# KiCad board fercus-right.kicad_pcb (continued)
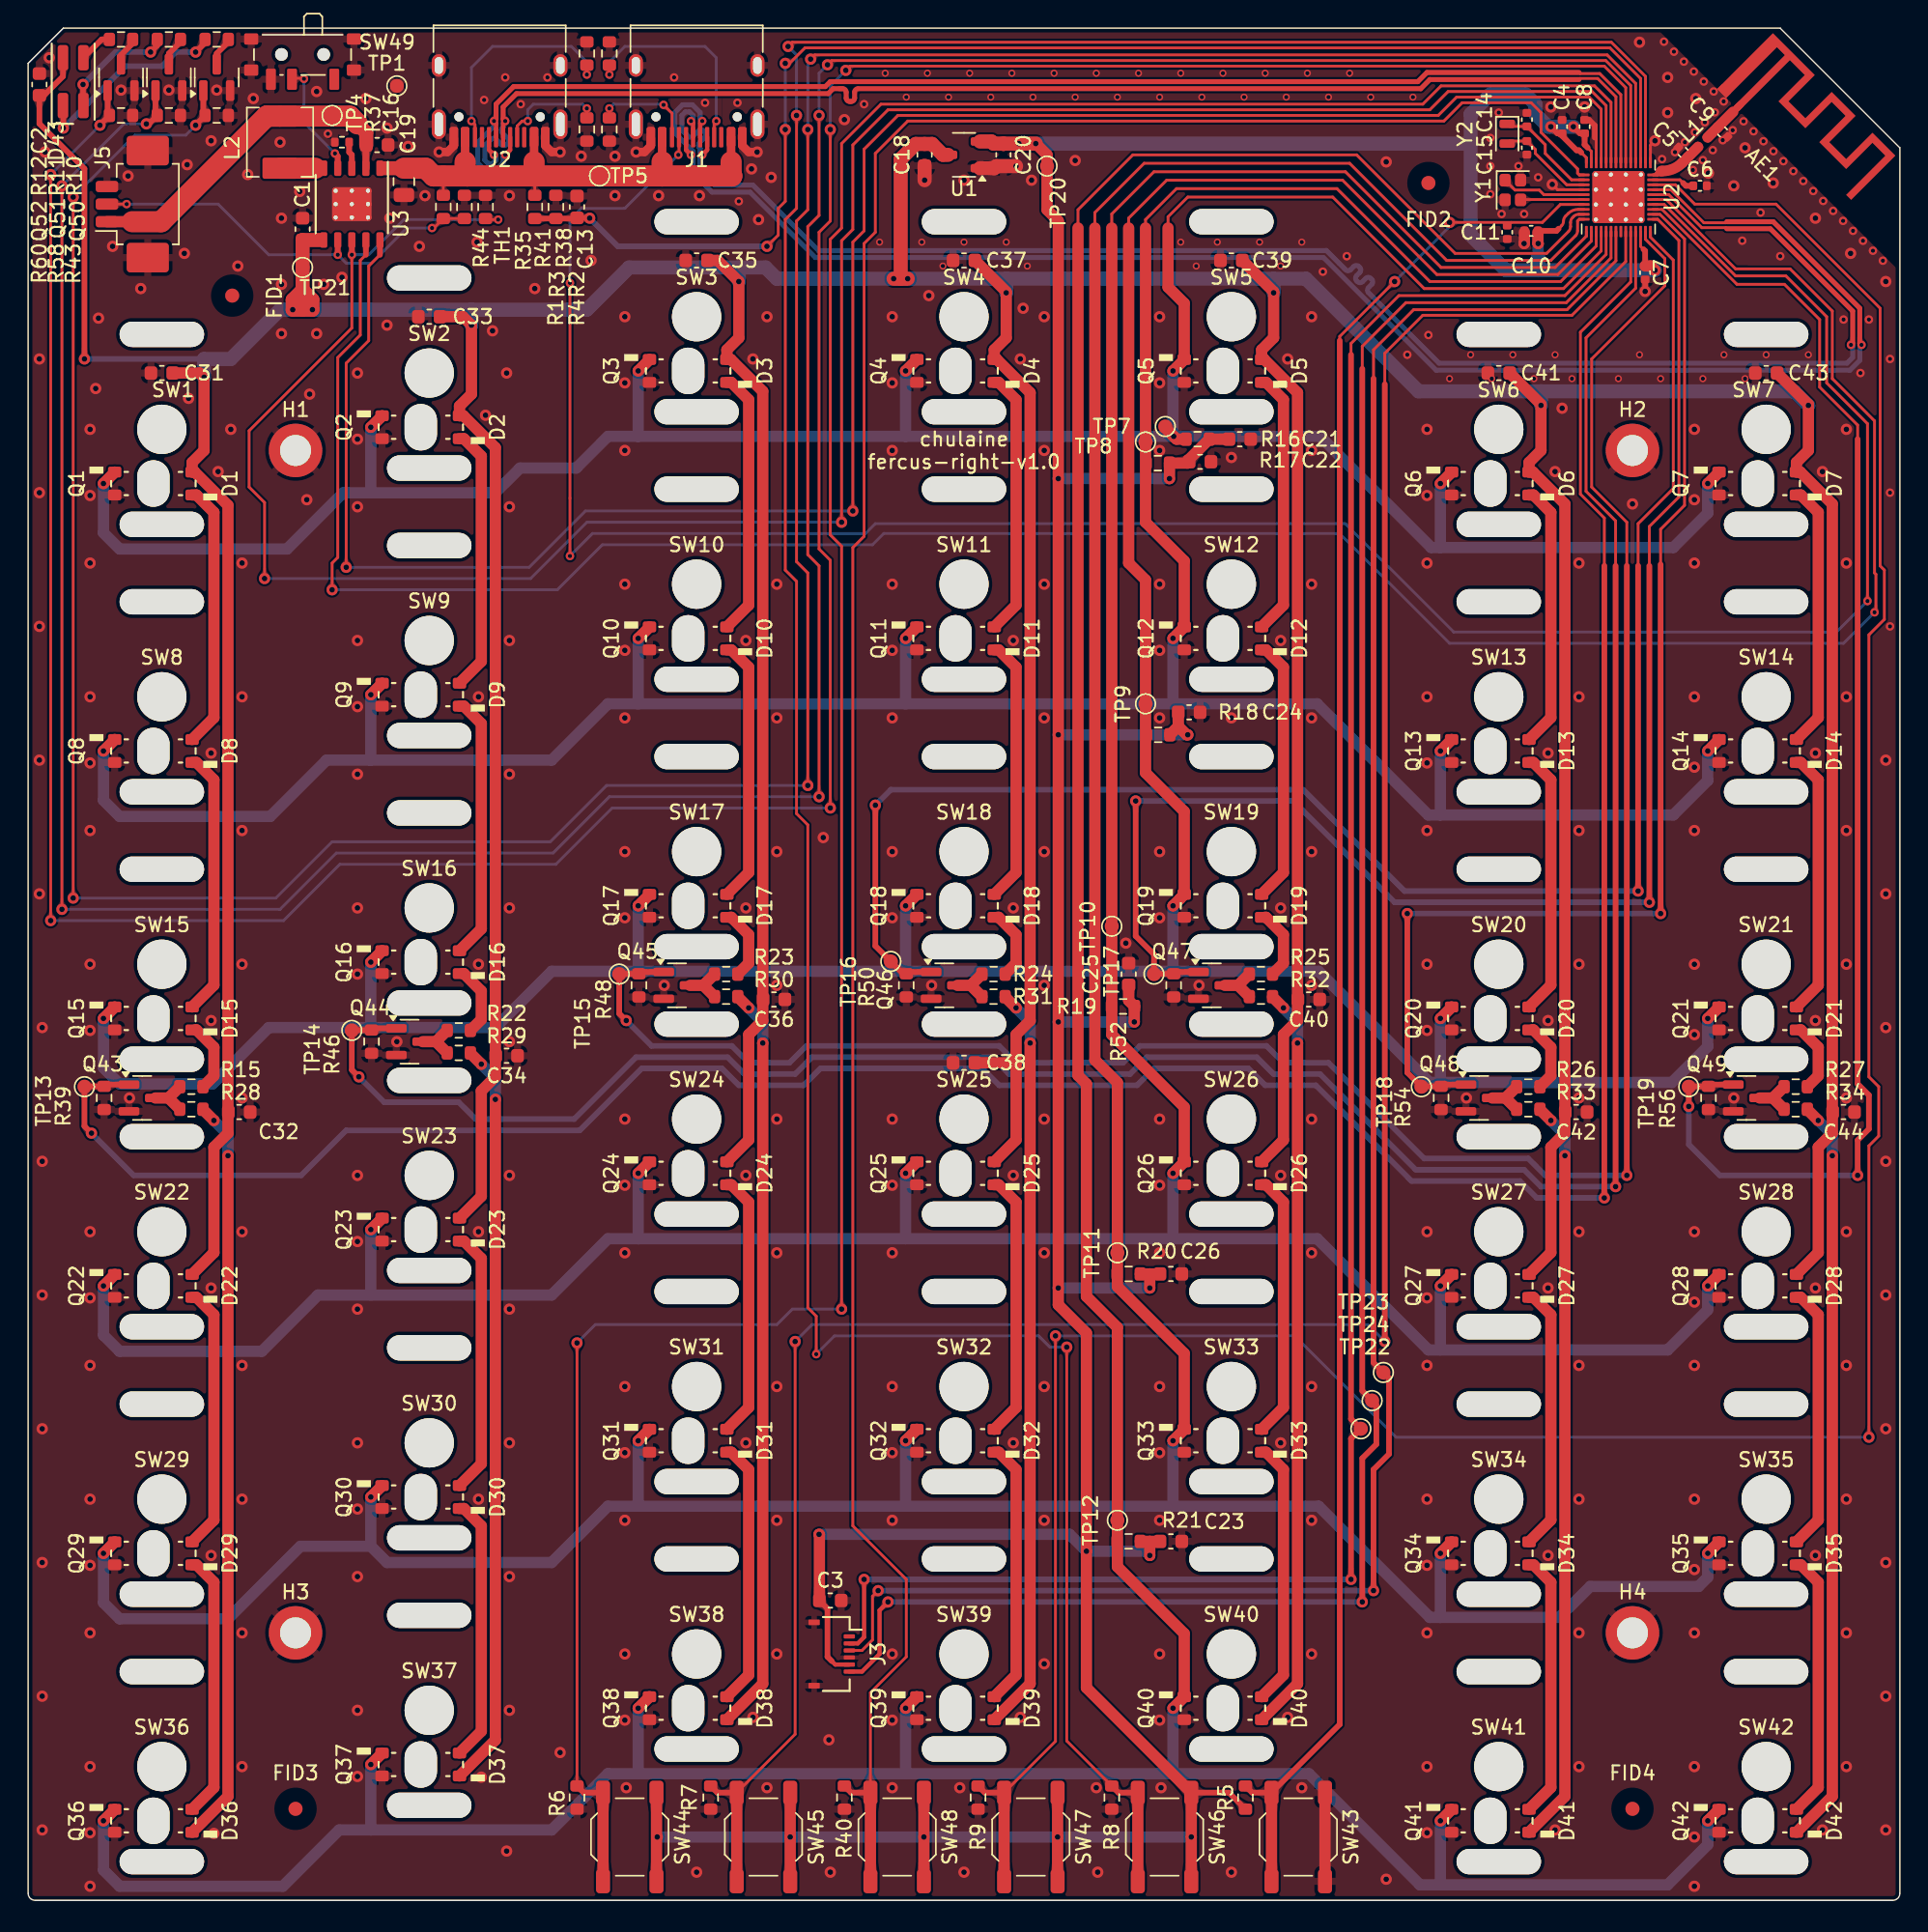
[diagram p0: board, top side]
## Footprints (pads in the part's own frame, mm; a bottom-side part is the same pattern mirrored in y, then rotated)
C_0402_1005Metric
  rrect 0.56x0.62 smd: 1(-0.48,0) 2(0.48,0)
C_0603_1608Metric
  rrect 0.9x0.95 smd: 1(-0.775,0) 2(0.775,0)
C_0805_2012Metric
  rrect 1x1.45 smd: 1(-0.95,0) 2(0.95,0)
Crystal_SMD_2012-2Pin_2.0x1.2mm
  rrect 0.6x1.1 smd: 1(-0.7,0) 2(0.7,0)
Crystal_SMD_2016-4Pin_2.0x1.6mm
  rrect 0.9x0.8 smd: 1(-0.7,-0.55) 2(0.7,-0.55) 3(0.7,0.55) 4(-0.7,0.55)
Everlight_LED_RGB_PLCC-4
  rrect 1.8x0.75 smd: 1(-1.7,0.725) 2(1.7,0.725) 3(1.7,-0.725) 4(-1.7,-0.725)
Fiducial_1mm_Mask3mm
  round 1 smd: (0,0)
Jushuo_AFC42-S06FMA-1H_1x6-1MP_P0.50_Horizontal
  rrect 0.3x0.8 smd: 1(-1.25,1.55) 2(-0.75,1.55) 3(-0.25,1.55) 4(0.25,1.55) 5(0.75,1.55) 6(1.25,1.55)
  rrect 0.4x0.8 smd: MP(-2.25,-0.95) MP(2.25,-0.95)
KTR-0602IRC
  rrect 0.77x0.95 smd: 1(-0.815,0) 2(0.815,0)
KTR-0602PTD
  rrect 0.77x0.95 smd: 1(0.815,0) 2(-0.815,0)
L_0402_1005Metric
  rrect 0.59x0.64 smd: 1(-0.485,0) 2(0.485,0)
L_Sunlord_MWSA0402S
  rrect 1.5x2.5 smd: 1(-1.85,0) 2(1.85,0)
Molex_PicoBlade_53261-0371_1x03-1MP_P1.25mm_Horizontal
  rrect 0.8x1.6 smd: 1(-1.25,2.4) 2(0,2.4) 3(1.25,2.4)
  rrect 2.1x3 smd: MP(-3.8,-0.5) MP(3.8,-0.5)
MountingHole_2.2mm_M2_ISO14580_Pad
  round 3.8 hole 2.2: 1(0,0)
QFN-48-1EP_5x5mm_P0.35mm_EP3.7x3.7mm_ThermalVias_Drill0.3mm_WCH
  custom 0.955x0.955 smd: (-1.067,1.067) (-1.067,0) (-1.067,-1.067) (0,1.067) (0,0) (0,-1.067) (1.067,1.067) (1.067,0) (1.067,-1.067)
  rrect 0.2x0.8 smd: 1(-1.575,-2.45) 2(-1.225,-2.45) 3(-0.875,-2.45) 4(-0.525,-2.45) 5(-0.175,-2.45) 6(0.175,-2.45) 7(0.525,-2.45) 8(0.875,-2.45) 9(1.225,-2.45) 10(1.575,-2.45) 25(1.575,2.45) 26(1.225,2.45) 27(0.875,2.45) 28(0.525,2.45) 29(0.175,2.45) 30(-0.175,2.45) 31(-0.525,2.45) 32(-0.875,2.45) 33(-1.225,2.45) 34(-1.575,2.45)
  rrect 0.8x0.2 smd: 11(2.45,-2.275) 12(2.45,-1.925) 13(2.45,-1.575) 14(2.45,-1.225) 15(2.45,-0.875) 16(2.45,-0.525) 17(2.45,-0.175) 18(2.45,0.175) 19(2.45,0.525) 20(2.45,0.875) 21(2.45,1.225) 22(2.45,1.575) 23(2.45,1.925) 24(2.45,2.275) 35(-2.45,2.275) 36(-2.45,1.925) 37(-2.45,1.575) 38(-2.45,1.225) 39(-2.45,0.875) 40(-2.45,0.525) 41(-2.45,0.175) 42(-2.45,-0.175) 43(-2.45,-0.525) 44(-2.45,-0.875) 45(-2.45,-1.225) 46(-2.45,-1.575) 47(-2.45,-1.925) 48(-2.45,-2.275)
  round 0.5 hole 0.3: 49(-1.6,1.6) 49(-1.6,0.533) 49(-1.6,-0.533) 49(-1.6,-1.6) 49(-0.533,1.6) 49(-0.533,0.533) 49(-0.533,-0.533) 49(-0.533,-1.6) 49(0.533,1.6) 49(0.533,0.533) 49(0.533,-0.533) 49(0.533,-1.6) 49(1.6,1.6) 49(1.6,0.533) 49(1.6,-0.533) 49(1.6,-1.6)
  rrect 3.7x3.7 smd: 49(0,0)
  rrect 3.7x3.7 smd far side: 49(0,0)
R_0402_1005Metric
  rrect 0.54x0.64 smd: 1(-0.51,0) 2(0.51,0)
R_0603_1608Metric
  rrect 0.8x0.95 smd: 1(-0.825,0) 2(0.825,0)
SOT-23
  rrect 1.475x0.6 smd: 1(-0.938,0.95) 2(-0.938,-0.95) 3(0.938,0)
SOT-23-3
  rrect 1.325x0.6 smd: 1(-1.137,0.95) 2(-1.137,-0.95) 3(1.137,0)
SSOP-10-1EP_3.9x4.9mm_P1.00mm_EP2.4x2.8mm_ThermalVias_Drill0.3mm
  rrect 0.9x0.9 smd: (-0.6,0.8) (-0.6,-0.8) (0.6,0.8) (0.6,-0.8)
  rrect 1.1x0.51 smd: 1(-2.55,2) 2(-2.55,1) 3(-2.55,0) 4(-2.55,-1) 5(-2.55,-2) 6(2.55,-2) 7(2.55,-1) 8(2.55,0) 9(2.55,1) 10(2.55,2)
  round 0.5 hole 0.3: 11(-0.95,1.15) 11(-0.95,0) 11(-0.95,-1.15) 11(0,1.15) 11(0,0) 11(0,-1.15) 11(0.95,1.15) 11(0.95,0) 11(0.95,-1.15)
  rrect 2.4x2.8 smd: 11(0,0)
  rrect 2.4x2.8 smd far side: 11(0,0)
SW_RAESHA_Low_Profile_Optical
  oval 2.3x3.3 hole 2.3x3.3 unplated: (-0.6,-3.85)
  oval 6x1.8 hole 6x1.8 unplated: (0,6.75) (0,-6.75)
  round 3.5 hole 3.5 unplated: (0,0)
SW_SPDT_PCM12
  round 0.9 hole 0.9 unplated: (-1.5,-0.33) (1.5,-0.33)
  rrect 0.7x1.5 smd: 1(-2.25,1.43) 2(0.75,1.43) 3(2.25,1.43)
  rrect 1x0.8 smd: 4(-3.65,0.78) 4(-3.65,-1.43) 4(3.65,0.78) 4(3.65,-1.43)
SW_SPST_TL3342
  rrect 1.7x1 smd: 1(-3.15,1.9) 1(3.15,1.9) 2(-3.15,-1.9) 2(3.15,-1.9)
TestPoint_Pad_D1.0mm
  round 1 smd: 1(0,0)
USB_C_Receptacle_HRO_TYPE-C-31-M-12
  round 0.65 hole 0.65 unplated: (-2.89,2.6) (2.89,2.6)
  rrect 0.6x1.45 smd: A1(-3.25,4.045) A4(-2.45,4.045) A9(2.45,4.045) A12(3.25,4.045) B1(3.25,4.045) B4(2.45,4.045) B9(-2.45,4.045) B12(-3.25,4.045)
  rrect 0.3x1.45 smd: A5(-1.25,4.045) A6(-0.25,4.045) A7(0.25,4.045) A8(1.25,4.045) B5(1.75,4.045) B6(0.75,4.045) B7(-0.75,4.045) B8(-1.75,4.045)
  oval 1x2.1 hole 0.6x1.7: S1(-4.32,3.13) S1(4.32,3.13)
  oval 1x1.6 hole 0.6x1.2: S1(-4.32,-1.05) S1(4.32,-1.05)
WCH_MIFA-1_2.4GHz_1.6mm_FR4_Right
  rect 0.5x0.5 smd: 1(0,0.25)
  rect 0.9x0.5 smd: 2(-1.5,0.25)

## Nets
+3.3V: C3.1 C4.1 C7.1 C8.1 C10.1 C20.1 C21.1 C22.1 C23.1 C24.1 C25.1 C26.1 J3.5 R5.1 R16.1 R17.1 R18.1 R19.1 R20.1 R21.1 SW44.1 SW45.1 SW46.1 SW47.1 SW48.1 TP20.1 U1.2 U2.8 U2.22 U2.47 U2.48
+5V: C1.1 C2.1 C18.1 C31.2 C32.2 C33.2 C34.2 C35.2 C36.2 C37.2 C38.2 C39.2 C40.2 C41.2 C42.2 C43.2 C44.2 D1.2 D2.2 D3.2 D4.2 D5.2 D6.2 D7.2 D22.2 D23.2 D24.2 D25.2 D26.2 D27.2 D28.2 D43.2 TP21.1 U1.3 U3.6
+5VP: C19.1 J1.A4 J1.A9 J1.B4 J1.B9 J2.A4 J2.A9 J2.B4 J2.B9 R41.1 R44.1 TP5.1 U3.1
/VINTA: C6.1 U2.33
GND: AE1.2 C1.2 C2.2 C3.2 C4.2 C5.2 C6.2 C7.2 C8.2 C9.2 C10.2 C11.2 C13.2 C14.2 C15.2 C16.2 C18.2 C19.2 C20.2 C21.2 C22.2 C23.2 C24.2 C25.2 C26.2 C31.1 C32.1 C33.1 C34.1 C35.1 C36.1 C37.1 C38.1 C39.1 C40.1 C41.1 C42.1 C43.1 C44.1 H1.1 H2.1 H3.1 H4.1 J1.A1 J1.A12 J1.B1 J1.B12 J1.S1 J2.A1 J2.A12 J2.B1 J2.B12 J2.S1 J3.4 J3.MP J5.3 J5.MP Q1.1 Q2.1 Q3.1 Q4.1 Q5.1 Q6.1 Q7.1 Q8.1 Q9.1 Q10.1 Q11.1 Q12.1 Q13.1 Q14.1 Q15.1 Q16.1 Q17.1 Q18.1 Q19.1 Q20.1 Q21.1 Q22.1 Q23.1 Q24.1 Q25.1 Q26.1 Q27.1 Q28.1 Q29.1 Q30.1 Q31.1 Q32.1 Q33.1 Q34.1 Q35.1 Q36.1 Q37.1 Q38.1 Q39.1 Q40.1 Q41.1 Q42.1 Q43.2 Q44.2 Q45.2 Q46.2 Q47.2 Q48.2 Q49.2 Q50.2 Q51.2 Q52.2 R1.1 R2.1 R3.1 R4.1 R6.2 R7.2 R8.2 R9.2 R35.2 R37.2 R38.2 R39.2 R40.2 R43.2 R46.2 R48.2 R50.2 R52.2 R54.2 R56.2 R58.2 R60.2 SW43.1 SW49.3 SW49.4 TH1.2 TP1.1 U1.1 U2.4 U2.35 U2.46 U2.49 U3.11 Y1.2 Y1.4
+BATT: C16.1 J5.1 L2.1 TP4.1 U3.2
/NTC: J5.2 R44.2 TH1.1 U3.7
ANT: C5.1 L1.1 U2.34
BAT_ADC: U2.18
BOOT0: R6.1 SW44.2 U2.43
BOOT1: R7.1 SW45.2 U2.19
ETA-DISCHRG: U2.45 U3.10
ETA-ENBST: SW49.2 U3.4
ETA-PULSE: R35.1 U2.44 U3.8
ETA-STAT: U2.29 U3.9
joystick_a1: J3.2 TP22.1 U2.15
joystick_a2: J3.6 TP24.1 U2.16
joystick_sw: J3.3 TP23.1 U2.17
key_col0: Q43.1 R39.1 TP13.1 U2.20
key_col1: Q44.1 R46.1 TP14.1 U2.21
key_col2: Q45.1 R48.1 TP15.1 U2.23
key_col3: Q46.1 R50.1 TP16.1 U2.24
key_col4: Q47.1 R52.1 TP17.1 U2.25
key_col5: Q48.1 R54.1 TP18.1 U2.26
key_col6: Q49.1 R56.1 TP19.1 U2.27
key_fn0: R8.1 SW46.2 U2.36
key_fn1: R9.1 SW47.2 U2.32
key_fn2: R40.1 SW48.2 U2.1
key_row0: Q1.2 Q2.2 Q3.2 Q4.2 Q5.2 Q6.2 Q7.2 R16.2 TP7.1 U2.14
key_row1: Q8.2 Q9.2 Q10.2 Q11.2 Q12.2 Q13.2 Q14.2 R17.2 TP8.1 U2.13
key_row2: Q15.2 Q16.2 Q17.2 Q18.2 Q19.2 Q20.2 Q21.2 R18.2 TP9.1 U2.12
key_row3: Q22.2 Q23.2 Q24.2 Q25.2 Q26.2 Q27.2 Q28.2 R19.2 TP10.1 U2.11
key_row4: Q29.2 Q30.2 Q31.2 Q32.2 Q33.2 Q34.2 Q35.2 R20.2 TP11.1 U2.10
key_row5: Q36.2 Q37.2 Q38.2 Q39.2 Q40.2 Q41.2 Q42.2 R21.2 TP12.1 U2.9
led_b: Q52.1 R60.1 U2.40
led_g: Q51.1 R58.1 U2.39
led_r: Q50.1 R43.1 U2.38
NRST: C11.1 R5.2 SW43.2 U2.7
OCS32IN: C14.1 U2.2 Y2.1
OCS32OUT: C15.1 U2.3 Y2.2
OCSIN: U2.5 Y1.1
OCSOUT: U2.6 Y1.3
usart1_tx: J1.A8 U2.28
usb1-vbus: C13.1 R38.1 R41.2 U2.37
usb1_N: J1.A7 J1.B7 U2.30
usb1_P: J1.A6 J1.B6 U2.31
usb2_N: J2.A7 J2.B7 U2.41
usb2_P: J2.A6 J2.B6 U2.42
Net-(AE1-A): AE1.1 C9.1 L1.2
Net-(D1-K): D1.1 D8.2
Net-(D2-K): D2.1 D9.2
Net-(D10-A): D3.1 D10.2
Net-(D10-K): D10.1 D17.2
Net-(D11-A): D4.1 D11.2
Net-(D11-K): D11.1 D18.2
Net-(D12-A): D5.1 D12.2
Net-(D12-K): D12.1 D19.2
Net-(D13-A): D6.1 D13.2
Net-(D13-K): D13.1 D20.2
Net-(D14-A): D7.1 D14.2
Net-(D14-K): D14.1 D21.2
Net-(D15-A): D8.1 D15.2
Net-(D15-K): D15.1 R15.1
Net-(D16-A): D9.1 D16.2
Net-(D16-K): D16.1 R22.1
Net-(D17-K): D17.1 R23.1
Net-(D18-K): D18.1 R24.1
Net-(D19-K): D19.1 R25.1
Net-(D20-K): D20.1 R26.1
Net-(D21-K): D21.1 R27.1
Net-(D22-K): D22.1 D29.2
Net-(D23-K): D23.1 D30.2
Net-(D24-K): D24.1 D31.2
Net-(D25-K): D25.1 D32.2
Net-(D26-K): D26.1 D33.2
Net-(D27-K): D27.1 D34.2
Net-(D28-K): D28.1 D35.2
Net-(D29-K): D29.1 D36.2
Net-(D30-K): D30.1 D37.2
Net-(D31-K): D31.1 D38.2
Net-(D32-K): D32.1 D39.2
Net-(D33-K): D33.1 D40.2
Net-(D34-K): D34.1 D41.2
Net-(D35-K): D35.1 D42.2
Net-(D36-K): D36.1 R28.1
Net-(D37-K): D37.1 R29.1
Net-(D38-K): D38.1 R30.1
Net-(D39-K): D39.1 R31.1
Net-(D40-K): D40.1 R32.1
Net-(D41-K): D41.1 R33.1
Net-(D42-K): D42.1 R34.1
Net-(D43-BK): D43.3 R12.2
Net-(D43-GK): D43.4 R11.2
Net-(D43-RK): D43.1 R10.2
Net-(J1-CC1): J1.A5 R2.2
Net-(J1-CC2): J1.B5 R4.2
Net-(J2-CC1): J2.A5 R1.2
Net-(J2-CC2): J2.B5 R3.2
Net-(Q43-D): Q43.3 R15.2 R28.2
Net-(Q44-D): Q44.3 R22.2 R29.2
Net-(Q45-D): Q45.3 R23.2 R30.2
Net-(Q46-D): Q46.3 R24.2 R31.2
Net-(Q47-D): Q47.3 R25.2 R32.2
Net-(Q48-D): Q48.3 R26.2 R33.2
Net-(Q49-D): Q49.3 R27.2 R34.2
Net-(Q50-D): Q50.3 R10.1
Net-(Q51-D): Q51.3 R11.1
Net-(Q52-D): Q52.3 R12.1
Net-(U3-ISEt): R37.1 U3.3
Net-(U3-SW): L2.2 U3.5

Pads without a net: J1 B8; J2 A8 B8; J3 1; SW49 1

## Via types
v1: diameter 0.8, hole 0.4, Top to Bottom, 512 vias
v2: diameter 0.6, hole 0.3, Top to Bottom, 95 vias
v3: diameter 0.5, hole 0.3, Top to Bottom, 52 vias

## Routing (per net, layer and track width the routed paths; a pad name or vN(x,y) marks a point on that pad's centre or on a via; arc(x,y) is an arc through that point)
+3.3V: length 361.2
  Top w0.2: 114.79,117.29 114.57,117.5 U2.22 ; 108.75,118.75 108.96,118.96 arc(109.06,119.11) 109.1,119.29 arc(109.14,119.48) 109.25,119.65 109.43,119.83 arc(109.76,120.05) 110.14,120.12 U2.8 ; 110.81,124.51 111.07,124.25 U2.47 ; U2.48 110.72,123.8 110.36,124.16
  Top w0.3: J3.5 57.35,16.75 57.1,17
  Top w0.4: R5.1 85.33,7.65 SW46.1 ; 57.1,17 56.8,17.3 56.8,20.72 C3.1 ; 114.79,117.29 114.9,117.17 C7.1 ; v1(108.2,126) 108.68,125.52 C4.1 109,125.35 110.03,124.33 110.2,124.33 110.36,124.16 ; 110.81,124.51 110.6,124.72 C8.1 110.28,125.52 v1(109.8,126) ; C10.1 108.6,118.6 108.75,118.75
  Top w0.8: SW48.1 SW48.1 ; 81.72,83.4 R18.1 ; 81.72,83.4 82.33,82.8 v1(82.4,82.8) ; 81.72,83.4 C24.1 ; v1(56.2,26) 56.22,25.97 C3.1 ; 107.28,118.5 107.28,117.72 v1(107.3,117.7) ; v1(115.6,115.8) 115.29,116.1 C7.1 ; C25.1 78.2,63.92 R19.1 78.6,63.47 v1(78.6,62.4) ; 79.7,44.5 v1(79.7,43.5) ; 79.7,44.5 C26.1 ; 79.7,44.5 R20.1 ; v1(81.1,101) R17.1 82.4,102.1 C22.1 82.5,102.38 R16.1 C21.1 ; SW44.1 SW44.1 ; SW45.1 SW45.1 ; SW47.1 SW47.1 ; v1(71.6,124.8) 72.4,124 72.4,120.1 73.2,119.3 73.2,42.3 75.2,40.3 v1(75.2,24.8) 75.2,15.1 SW46.1 SW46.1 ; R21.1 79.7,25.5 ; 79.7,25.5 v1(79.7,24.5) ; 79.7,25.5 C23.1
  Top w1: v1(71.6,124.8) v1(70.4,124.8) 69.33,124.8 C20.1 69.28,124.8 68.6,124.8 68.45,124.95 U1.2
  Bottom w0.8: v1(44.7,4.5) v1(54.15,4.5) v1(82.65,4.5) ; v1(56.2,26) 74,26 v1(75.2,24.8) 79.4,24.8 v1(79.7,24.5) ; v1(82.4,82.8) v1(73.2,82.8) ; v1(79.7,43.5) v1(73.2,43.5) ; v1(81.1,101) v1(73.2,101) ; v1(78.6,62.4) v1(73.2,62.4) ; 107.3,117.6 107.3,116.8
  Bottom w1: 102.5,124.8 102.5,126.9 103.9,128.3 106.4,128.3 107.1,127.6 107.1,126.9 108,126 v1(108.2,126) v1(109.8,126) ; 102.5,124.8 102.5,118.3 105,115.8 107.3,115.8 ; 102.5,124.8 v1(71.6,124.8) v1(70.4,124.8) ; 107.3,116.8 107.3,115.8 ; 107.3,115.8 v1(115.6,115.8)
  vias: v1(63.65,4.5) v1(73.15,4.5)
+5V: length 662.2
  Top w0.4: 2.48,130.9 2.48,129.57 1.12,128.22 C2.1 0.8,126.21 4,123.01 v1(4,109.5)
  Top w0.8: 70.2,59.5 C38.2 ; 70.2,59.5 70.2,61.5 71.2,62.5 71.2,107.1 68.83,109.47 D4.2 68.65,110.15 69.5,111 v1(69.5,114.2) 69.5,114.28 C37.2 ; 70.2,59.5 70.2,54.02 D25.2 ; C31.2 12.2,108.5 v1(12.5,108.2) 12.5,103 11.65,102.15 D1.2 11.84,101.47 14.2,99.1 14.2,54.5 13.2,53.5 13.2,46.02 D22.2 ; D26.2 89.2,54.02 89.2,61.5 90.2,62.5 90.2,107.1 87.83,109.47 D5.2 87.65,110.15 88.5,111 v1(88.5,114.2) 88.5,114.28 C39.2 ; D27.2 108.2,46.02 108.2,53.5 109.2,54.5 109.2,99.2 106.94,101.47 D6.2 106.65,102.15 107.5,103 v1(107.5,106.2) 107.5,106.28 C41.2 ; C43.2 126.5,106.28 v1(126.5,106.2) 126.5,103 125.65,102.15 D7.2 125.94,101.47 128.2,99.2 128.2,54.5 127.2,53.5 127.2,46.02 D28.2 ; C35.2 49,116.5 v1(50.5,115) 50.5,111 49.65,110.15 D3.2 49.94,109.47 52.2,107.2 52.2,62.5 51.2,61.5 51.2,54.02 D24.2 ; D23.2 32.2,50.02 32.2,57.5 33.2,58.5 33.2,103.2 30.94,105.47 D2.2 30.65,106.15 31.5,107 v1(31.5,111.9) 30.9,112.5 C33.2
  Top w1: 19.5,113 v1(18.8,113) 18.8,113.7 19.5,114.4 ; 19.5,113 v1(20.2,113) 20.2,113.7 19.5,114.4 ; 19.5,113 19.5,114.4 ; U1.3 65,124 64.22,124.78 C18.1 63.08,124.78 62,123.7 62,115.2 ; 19.5,114.4 C1.1 20.7,117.95 ; 62,115.2 v1(62.5,115.2) ; 62,115.2 v1(61.5,115.2)
  Bottom w0.4: v1(4,109.5) 12.5,109.5
  Bottom w1: 50.5,116 42.7,116 39.7,113 31.5,113 ; 50.5,116 v1(50.5,115) ; 50.5,116 52.4,116 53.2,115.2 69.5,115.2 ; v1(12.5,108.2) 12.5,109.5 14.4,109.5 17.9,113 31.5,113 ; 88.5,115.2 90.8,115.2 98.8,107.2 107.5,107.2 ; 88.5,115.2 v1(88.5,114.2) ; 88.5,115.2 69.5,115.2 ; 107.5,107.2 125.5,107.2 v1(126.5,106.2) ; 107.5,107.2 v1(107.5,106.2) ; 31.5,113 v1(31.5,111.9) ; 69.5,115.2 v1(69.5,114.2)
+5VP: length 38.8
  Top w0.2: R41.1 36,122.45 35.95,122.5 ; R44.1 29.5,122.5
  Top w0.6: J2.A9 31.05,123.5 ; J1.A4 49.95,123.5 ; J2.A4 35.95,123.5 ; J1.A9 45.05,123.5
  Top w1: C19.1 25.3,123.05
  Top w1.5: 31.2,122.5 45.05,122.5 ; 31.2,122.5 31.05,122.65 31.05,123.5 ; 31.2,122.5 28.8,122.5 28.25,123.05 C19.1 ; 45.05,122.5 45.05,123.5 ; 45.05,122.5 50,122.5 49.95,122.55 49.95,123.5 ; 35.95,123.5 35.95,122.5
/VINTA: length 3
  Top w0.2: U2.33 117.38,122.22 117.6,122
  Top w0.4: C6.1 117.8,121.8 117.6,122
GND: length 26.4
  Top w0.2: 111.32,125.22 111.43,125.12 U2.46 ; U2.4 108.68,121.53 v1(108.3,121.9) ; U2.35 115.28,124.67 v1(115.6,125)
  Top w0.4: 111.32,125.22 111.32,126.08 110.92,126.48 C8.2 ; C7.2 v1(114.9,114.3)
  Top w0.6: 50.75,125.2 50.75,124.65 51.2,124.2 v1(51.8,124.2) ; 30.25,125.2 30.25,124.65 29.8,124.2 v1(29.2,124.2) ; 44.25,125.2 44.25,124.65 43.8,124.2 v1(43.2,124.2) ; v1(37.8,124.2) 37.2,124.2 36.75,124.65 36.75,125.2
  Top w0.8: 106.32,118.5 106.32,117.72 v1(106.3,117.7) ; SW43.1 SW43.1
  Top w1: U1.1 68.65,123.05 68.8,123.2 v1(70.2,123.2) ; C18.2 v1(63.7,122.2)
  vias: v1(0.8,109.5) v1(0.8,100) v1(0.8,90.5) v1(0.8,81) v1(0.8,71.5) v1(1,62) v1(1,52.5) v1(1,43) v1(1,33.5) v1(1,24) v1(1,14.5) v1(1,5) v1(1.2,124.2) v1(1.5,130.9) v1(4.4,104.5) v1(4.4,99.8) v1(4.4,95) v1(4.4,85.5) v1(4.4,80.8) v1(4.4,76) v1(4.4,66.5) v1(4.4,61.8) v1(4.4,47.5) v1(4.4,42.8) v1(4.4,38) v1(4.4,28.5) v1(4.4,23.8) v1(4.4,19) v1(4.4,9.5) v1(4.4,4.8) v1(4.4,1) v1(4.8,107.4) v1(5,112.4) v1(6,117.5) v1(6.6,128.6) v1(7.1,122.5) v1(7.2,57) v1(8,114.5) v1(10,128.6) v1(11.1,117) v1(11.3,123.3) v1(11.4,106.7) v1(13,125) v1(13,81.5) v1(13,62.5) v1(13,43.5) v1(13,24.5) v1(13.2,4.75) v1(13.4,128.6) v1(13.5,101.5) v1(14.4,104.5) v1(14.9,116.1) v1(15.2,95) v1(15.2,85.5) v1(15.2,76) v1(15.2,66.5) v1(15.2,57) v1(15.2,47.5) v1(15.2,38) v1(15.2,28.5) v1(15.2,19) v1(15.2,9.5) v1(15.6,122.6) v1(16,128) v1(17.9,124.9) v1(18,119.5) v1(18,114.8) v1(18,111.3) v1(19.3,121.4) v1(19.8,99.5) v1(20,107) v1(20.5,128.5) v1(20.5,111.3) v1(21,114.8) v1(22.3,115.3) v1(23.4,108.5) v1(23.4,103.8) v1(23.4,99) v1(23.4,89.5) v1(23.4,84.8) v1(23.4,80) v1(23.4,70.5) v1(23.4,65.8) v1(23.4,51.5) v1(23.4,46.8) v1(23.4,42) v1(23.4,32.5) v1(23.4,27.8) v1(23.4,23) v1(23.4,13.5) v1(23.4,8.8) v1(24,128) v1(25.5,125.9) v1(25.5,111.9) v1(25.7,119.5) v1(26.2,61) v1(27,124.6) v1(27.8,117.5) v1(28.2,121.1) v1(31.9,117.8) v1(32,85.5) v1(32,66.5) v1(32,47.5) v1(32,28.5) v1(32.2,8.75) v1(32.5,105.5) v1(33,111.5) v1(34,108.5) v1(34,3.5) v1(34.2,121.1) v1(34.2,99) v1(34.2,89.5) v1(34.2,80) v1(34.2,70.5) v1(34.2,61) v1(34.2,51.5) v1(34.2,42) v1(34.2,32.5) v1(34.2,23) v1(34.2,13.5) v1(36,114.5) v1(37.8,10.5) v1(39.3,123.9) v1(40,116.5) v1(41.7,123.9) v1(41.7,121.1) v1(42.4,112.5) v1(42.4,107.8) v1(42.4,103) v1(42.4,93.5) v1(42.4,88.8) v1(42.4,84) v1(42.4,74.5) v1(42.4,69.8) v1(42.4,55.5) v1(42.4,50.8) v1(42.4,46) v1(42.4,36.5) v1(42.4,31.8) v1(42.4,27) v1(42.4,17.5) v1(42.4,12.8) v1(42.5,8) v1(44.8,121.1) v1(45.2,65) v1(47.5,2) v1(47.7,121.1) v1(51,89.5) v1(51,70.5) v1(51,51.5) v1(51,32.5) v1(51.4,123) v1(51.5,109.5) v1(51.5,13) v1(51.9,119.4) v1(52.5,112.5) v1(52.5,8) v1(52.8,122.4) v1(53.2,93.5) v1(53.2,84) v1(53.2,74.5) v1(53.2,65) v1(53.2,55.5) v1(53.2,46) v1(53.2,36.5) v1(53.2,27) v1(53.2,17.5) v1(56.5,75.5) v1(56.9,11.4) v1(57,2) v1(58,126.5) v1(61.4,112.5) v1(61.4,107.8) v1(61.4,103) v1(61.4,93.5) v1(61.4,88.8) v1(61.4,84) v1(61.4,74.5) v1(61.4,69.8) v1(61.4,55.5) v1(61.4,50.8) v1(61.4,46) v1(61.4,36.5) v1(61.4,31.8) v1(61.4,27) v1(61.4,17.5) v1(61.4,12.8) v1(61.4,8) v1(64,114) v1(64.2,65) v1(66.2,8) v1(66.5,122.2) v1(66.5,2) v1(70,89.5) v1(70,70.5) v1(70,51.5) v1(70,32.5) v1(70.5,109.5) v1(70.5,13) v1(70.7,113.1) v1(71.3,122.2) v1(72.2,112.5) v1(72.2,103) v1(72.2,93.5) v1(72.2,84) v1(72.2,74.5) v1(72.2,65) v1(72.2,55.5) v1(72.2,46) v1(72.2,36.5) v1(72.2,27) v1(72.2,16.8) v1(74.4,123.6) v1(75.9,8) v1(76,2) v1(78,68) v1(80.4,112.5) v1(80.4,107.8) v1(80.4,103) v1(80.4,93.5) v1(80.4,88.8) v1(80.4,84) v1(80.4,74.5) v1(80.4,69.8) v1(80.4,55.5) v1(80.4,50.8) v1(80.4,46) v1(80.4,36.5) v1(80.4,31.8) v1(80.4,27) v1(80.4,17.5) v1(80.4,12.8) v1(80.5,8) v1(83.2,65) v1(85.5,102.5) v1(85.5,84) v1(85.5,2) v1(89,89.5) v1(89,70.5) v1(89,51.5) v1(89,32.5) v1(89.5,109.5) v1(89.5,13) v1(90.5,8) v1(91.2,112.5) v1(91.2,103) v1(91.2,93.5) v1(91.2,84) v1(91.2,74.5) v1(91.2,65) v1(91.2,55.5) v1(91.2,46) v1(91.2,36.5) v1(91.2,27) v1(91.2,17.5) v1(96.5,123.5) v1(96.5,1.5) v1(99.4,104.5) v1(99.4,99.8) v1(99.4,95) v1(99.4,85.5) v1(99.4,80.8) v1(99.4,76) v1(99.4,66.5) v1(99.4,61.8) v1(99.4,47.5) v1(99.4,42.8) v1(99.4,38) v1(99.4,28.5) v1(99.4,23.8) v1(99.4,19) v1(99.4,9.5) v1(99.4,4.8) v1(102.2,57) v1(108,81.5) v1(108,62.5) v1(108,43.5) v1(108,24.5) v1(108.2,127.4) v1(108.5,101.5) v1(108.5,5) v1(109,106) v1(110.2,95) v1(110.2,85.5) v1(110.2,76) v1(110.2,66.5) v1(110.2,57) v1(110.2,47.5) v1(110.2,38) v1(110.2,28.5) v1(110.2,19) v1(110.2,9.5) v1(110.6,127.4) v1(114,99.2) v1(114.5,132) v1(116.5,129.5) v1(116.5,127) v1(118.4,104.5) v1(118.4,99.5) v1(118.4,95) v1(118.4,85.5) v1(118.4,80.5) v1(118.4,76) v1(118.4,66.5) v1(118.4,61.5) v1(118.4,47.5) v1(118.4,42.5) v1(118.4,38) v1(118.4,28.5) v1(118.4,23.5) v1(118.4,19) v1(118.4,9.5) v1(118.4,4.5) v1(118.4,1) v1(118.5,128) v1(119.4,122.7) v1(121.2,121.8) v1(121.2,57) v1(122,124.5) v1(124,122) v1(127,119.5) v1(127,81.5) v1(127,62.5) v1(127,43.5) v1(127,24.5) v1(127.5,101.5) v1(127.5,5) v1(129.2,104.5) v1(129.2,95) v1(129.2,85.5) v1(129.2,76) v1(129.2,66.5) v1(129.2,57) v1(129.2,47.5) v1(129.2,38) v1(129.2,28.5) v1(129.2,19) v1(129.2,9.5) v1(129.5,117) v1(132,115) v1(132,81) v1(132,71.5) v1(132,62) v1(132,52.5) v1(132,43) v1(132,33.5) v1(132,24) v1(132,14.5) v1(132,5) v2(21.3,125.5) v2(32.4,127.9) v2(33.9,129.5) v2(35,127.6) v2(36.9,129.5) v2(45.9,129.5) v2(48.1,127.7) v2(50.4,127.7) v2(50.5,120.7) v2(59.4,127.6) v2(92,115.7) v2(93.7,116.8) v2(98,109.8) v2(99.5,111.2) v2(103.9,125.2) v2(103.9,123.2) v2(103.9,121.2) v2(104.5,127) v2(104.7,119.8) v2(105.9,123.2) v2(106.3,119.8) v2(107.3,122.4) v2(116.1,123.7) v2(116.24,132.04) v2(116.95,131.33) v2(117.02,124.19) v2(117.65,130.62) v2(117.73,124.9) v2(118.29,122.92) v2(118.36,129.92) v2(118.43,125.61) v2(119,123.63) v2(119.07,129.21) v2(119.14,126.31) v2(119.71,124.33) v2(119.77,128.5) v2(119.85,127.02) v2(120.41,125.04) v2(120.48,127.79) v2(121.12,125.75) v2(121.8,117.9) v2(121.89,126.38) v2(122.6,125.67) v2(123.1,119.9) v2(123.31,124.97) v2(124.02,124.26) v2(124.5,116.8) v2(124.72,123.55) v2(125.43,122.85) v2(126.14,122.14) v2(126.84,121.43) v2(127.55,120.72) v2(128.26,120.02) v2(128.97,119.31) v2(129,112.3) v2(129.67,118.6) v2(130.2,108.5) v2(130.38,117.9) v2(130.8,112.3) v2(131.09,117.19) v2(131.79,116.48) v2(132.3,109.5) v2(132.3,100) v2(132.3,90.5) v3(60.5,117.8) v3(60.9,129.8) v3(62.4,128.1) v3(63.5,117.8) v3(63.9,129.8) v3(65,116.1) v3(65.4,128.1) v3(66.5,117.8) v3(66.9,129.8) v3(68.4,128.1) v3(69.5,117.8) v3(69.9,129.8) v3(71,116.1) v3(71.4,128.1) v3(72.9,129.8) v3(74.4,128.1) v3(75.9,129.8) v3(77.4,128.1) v3(78.9,129.8) v3(80.4,128.1) v3(81.9,129.8) v3(81.9,117.8) v3(83,116.1) v3(83.4,128.1) v3(84.5,117.8) v3(84.9,129.8) v3(86.4,128.1) v3(87.5,117.8) v3(87.9,129.8) v3(89,116.1) v3(89.4,128.1) v3(90.5,117.8) v3(90.9,129.8) v3(92.4,128.1) v3(93.9,129.8) v3(95.4,128.1) v3(98.4,128.1) v3(101,108.1) v3(102.5,109.8) v3(104,108.1) v3(105.5,109.8) v3(107,108.1) v3(108.5,109.8) v3(109.7,108.1) v3(113,108.1) v3(114.5,109.8) v3(116,108.1) v3(119,108.1) v3(120.5,109.8) v3(122,108.1) v3(123.5,109.8) v3(126.5,109.8)